# KiCad board vme-wren.kicad_pcb (continued)
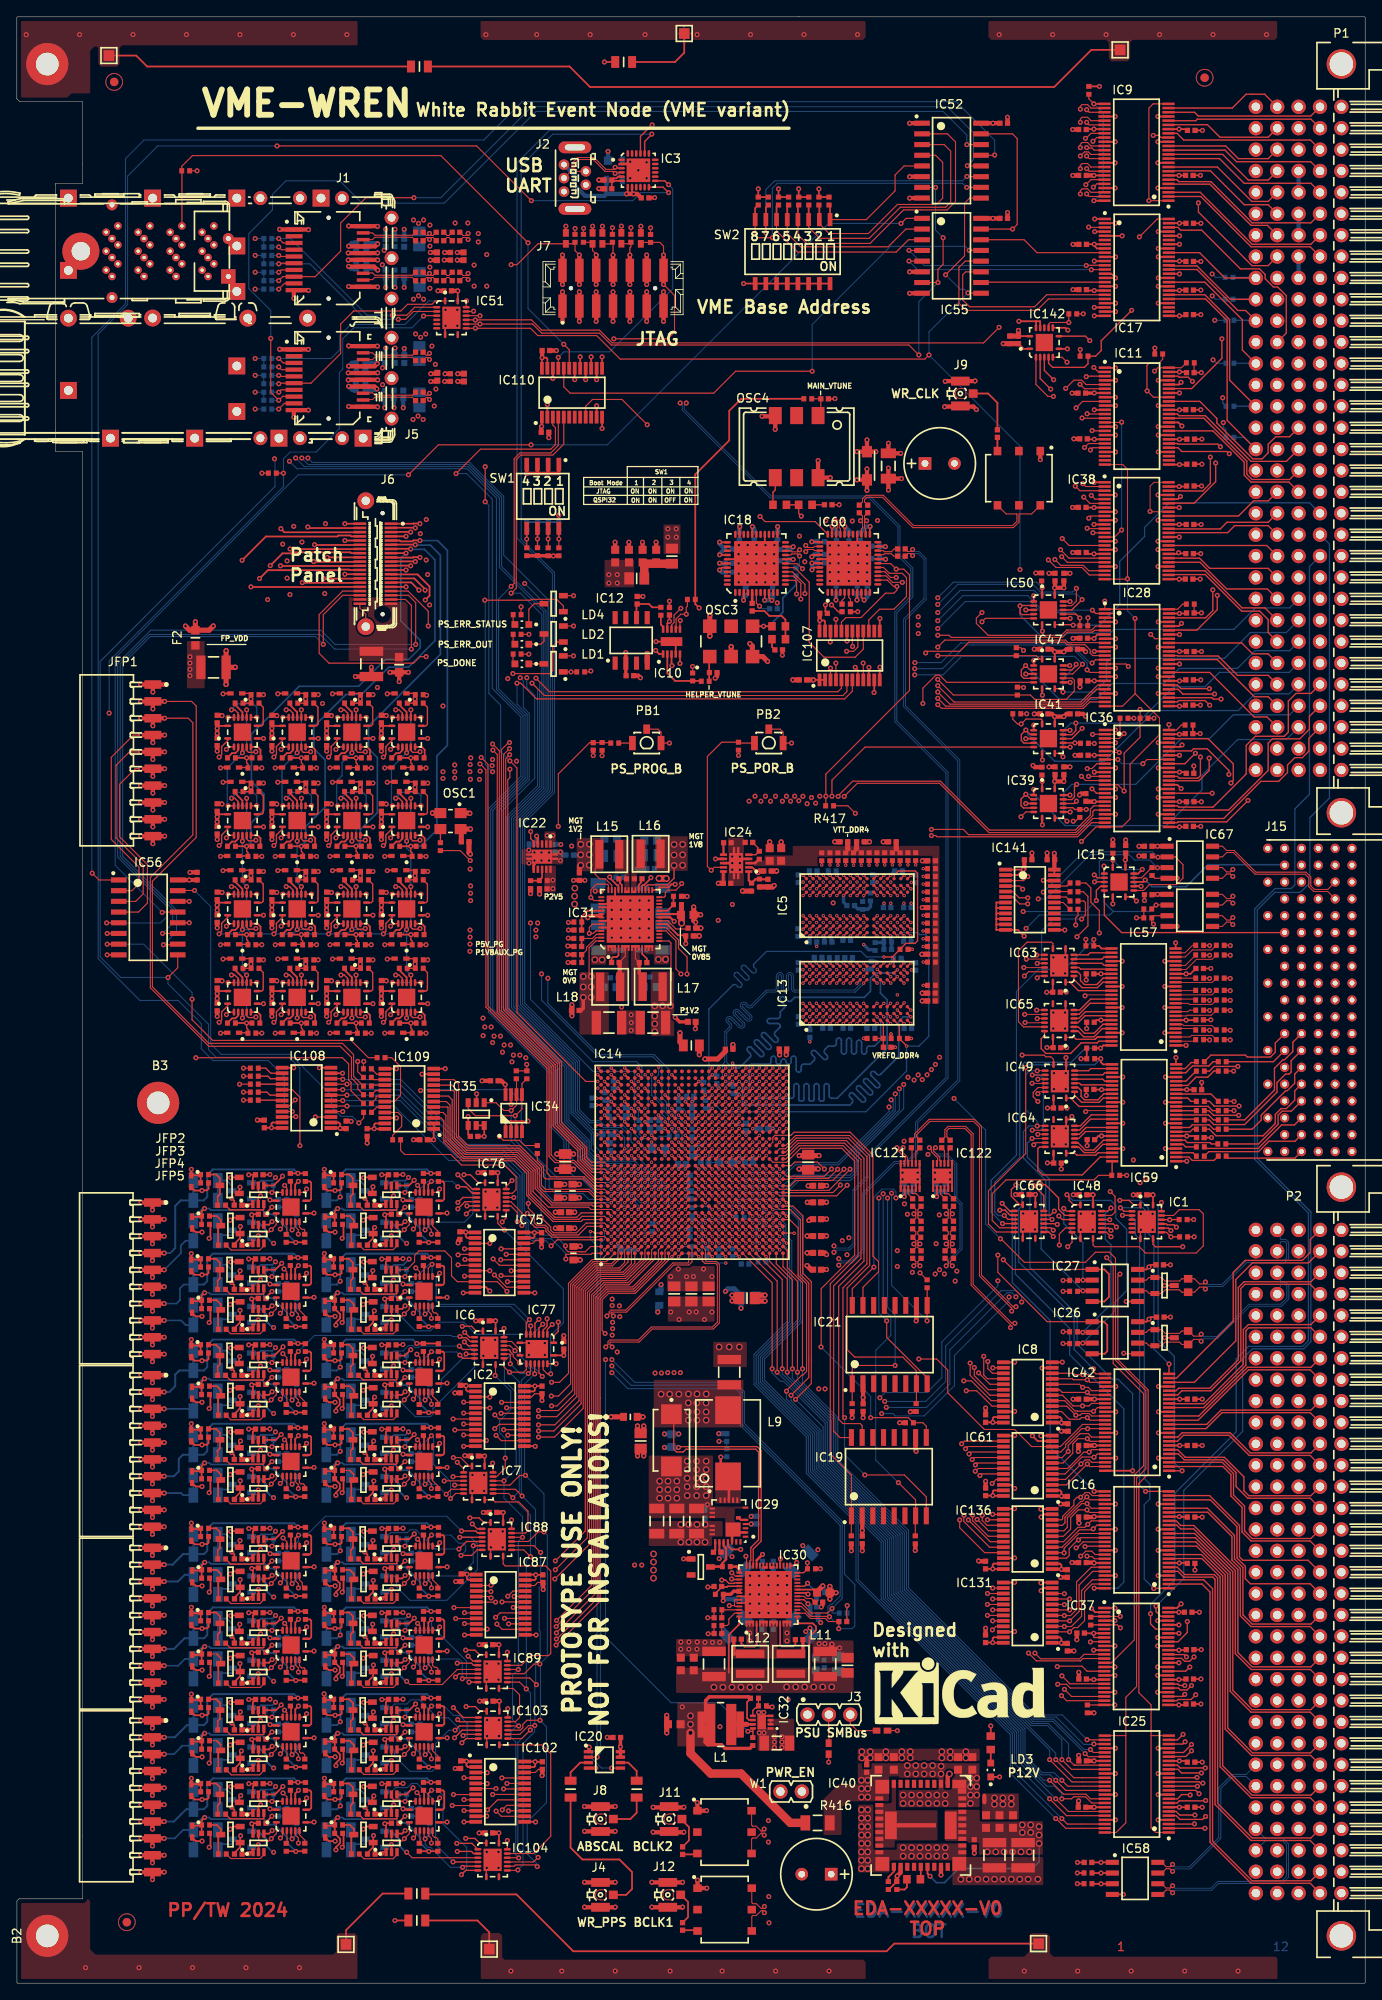
[diagram p0: board, top side]
## Routing (per net, layer and track width the routed paths; a pad name or vN(x,y) marks a point on that pad's centre or on a via; arc(x,y) is an arc through that point) (continued)
/PP_OUT14: length 57.6
  Top Layer w0.15: v2(27.29,134.99) 27.29,134.39 27.45,134.23 R528.2 27.4,133.84 D87.1
  Top Layer w0.2: R525.2 R524.2 ; J6.15 v2(46.22,169.79)
  Bottom Layer w0.2: v2(46.22,169.79) 45.6,169.17 45.6,161.74 47.89,159.45 47.89,158.53 46.53,157.17 43.78,157.17 40.59,153.99 33.53,153.99 27.86,148.31 27.86,142.68 29.35,141.19 29.35,139.29 27.8,137.75 27.8,135.5 v2(27.29,134.99)
/PP_OUT15: length 42.1
  Top Layer w0.15: D88.1 27.67,142.64 R529.2 R526.2 R527.2
  Top Layer w0.2: J6.16 39.71,169.79 39.6,169.89 32.8,169.89 32.67,169.76 31.55,169.76 v2(30.1,168.31)
  L5 w0.2: v2(30.1,168.31) 30.1,165.82 28.7,164.43 28.7,151.54 29.2,151.04 29.2,148.69 27.82,147.3 27.82,142.01 v2(27.79,141.99)
/PP_OUT16: length 79.1
  Top Layer w0.15: D93.1 46.9,123.34 R546.2 46.95,123.74 46.79,123.89 v2(46.79,124.49)
  Top Layer w0.2: R543.2 R542.2 ; J6.17 44.46,169.26 47.06,169.26 47.1,169.31 47.85,169.31 v2(47.87,169.28)
  L10 w0.2: v2(46.79,124.49) 46.82,124.52 46.82,125.31 45.96,126.17 42.13,126.17 39.53,128.77 36.48,128.77 34.52,130.73 31.47,130.73 29.62,132.58 29.62,135.22 27.82,137.02 27.82,141.19 26.26,142.75 26.26,146.69 30.31,150.74 30.31,155.09 41.54,166.31 47.08,166.31 47.87,167.11 v2(47.87,169.28)
/PP_OUT17: length 49.4
  Top Layer w0.15: D94.1 47.17,132.14 R547.2 R544.2 R545.2
  Top Layer w0.2: v2(36.85,169.29) 36.86,169.29 J6.18
  L5 w0.2: v2(47.29,131.49) 44.92,133.87 44.92,137.6 42.82,139.7 42.82,145.53 40.97,147.38 40.97,150.5 41.4,150.94 41.4,154.68 38,158.08 38,165.94 36.85,167.09 v2(36.85,169.29)
/PP_OUT18: length 73.5
  Top Layer w0.15: v2(40.29,124.49) 40.29,123.89 40.45,123.74 R540.2 40.4,123.34 D91.1
  Top Layer w0.2: R537.2 R536.2 ; J6.19 44.46,168.81 47.3,168.81 v2(47.32,168.78)
  L10 w0.2: v2(40.29,124.49) 38.15,124.49 37.32,125.33 37.32,126.01 35.56,127.77 31.48,127.77 28.46,130.79 28.46,134.66 26.66,136.46 26.66,141.41 25.56,142.51 25.56,146.62 29.82,150.87 29.82,155.24 41.36,166.79 46.85,166.79 47.32,167.26 v2(47.32,168.78)
/PP_OUT19: length 48.2
  Top Layer w0.15: D92.1 40.67,132.14 R541.2 R538.2 R539.2
  Top Layer w0.2: v2(35.25,168.79) 35.28,168.76 40.71,168.76 J6.20
  L5 w0.2: v2(35.25,168.79) 35.25,158.94 36,158.19 36,154.14 36.83,153.31 36.83,150.05 38.11,148.77 38.11,147.01 39.25,145.87 39.25,133.03 v2(40.79,131.49)
/PP_OUT20: length 68.5
  Top Layer w0.15: D97.1 33.9,123.34 R558.2 33.95,123.74 33.79,123.89 v2(33.79,124.49)
  Top Layer w0.2: R555.2 R554.2 ; J6.21 44.46,168.31 46.74,168.31 v2(46.77,168.28)
  L10 w0.2: v2(46.77,168.28) 46.77,167.41 46.6,167.24 41.16,167.24 26.48,152.56 26.48,149.34 24.32,147.17 24.32,146.07 25.02,145.37 25.02,141.9 26.02,140.9 26.02,130.38 29.07,127.32 29.51,127.32 30.81,126.02 33.11,126.02 33.82,125.31 33.82,124.52 v2(33.79,124.49)
/PP_OUT21: length 50.6
  Top Layer w0.15: D98.1 34.17,132.14 R559.2 R556.2 R557.2
  Top Layer w0.2: J6.22 40.72,168.26 31.33,168.26 v2(31.3,168.29)
  L5 w0.2: v2(34.29,131.49) 34.32,131.52 34.32,137.83 32.52,139.63 32.52,163.04 31.3,164.25 v2(31.3,168.29)
/PP_OUT22: length 64.1
  Top Layer w0.15: D95.1 27.4,123.34 R552.2 27.45,123.74 27.29,123.89 v2(27.29,124.49)
  Top Layer w0.2: R549.2 R548.2 ; J6.23 v2(46.22,167.79)
  L10 w0.2: v2(27.29,124.49) 27.32,124.52 27.32,125.31 22.86,129.77 22.86,149.89 40.76,167.79 v2(46.22,167.79)
/PP_OUT23: length 53.5
  Top Layer w0.15: R551.2 R550.2 R553.2 27.67,132.14 D96.1
  Top Layer w0.2: J6.24 39.51,167.79 39.45,167.84 38.5,167.84 38.43,167.76 29.81,167.76 v2(28.82,166.77)
  L5 w0.2: v2(27.79,131.49) 26.02,133.27 26.02,154.85 26.8,155.64 26.8,166.27 27.3,166.77 v2(28.82,166.77)
/PP_OUT24: length 30.7
  Top Layer w0.15: v2(46.79,145.49) 46.79,144.89 46.95,144.73 R576.2 46.9,144.34 D103.1
  Top Layer w0.2: J6.25 44.46,167.26 47.59,167.26 49.01,165.83 49.01,164.74 v2(48.51,164.23) ; R573.2 R572.2
  L10 w0.2: v2(46.79,145.49) 46.82,145.51 46.82,150.15 47.89,151.23 47.89,163.61 v2(48.51,164.23)
/PP_OUT25: length 23.5
  Top Layer w0.15: R575.2 R574.2 R577.2 47.17,153.14 D104.1
  Top Layer w0.2: J6.26 v2(38.96,167.29)
  L5 w0.2: v2(38.96,167.29) 38.96,160.24 46.71,152.49 v2(47.29,152.49)
/PP_OUT26: length 36.6
  Top Layer w0.15: v2(40.29,145.49) 40.29,144.89 40.45,144.73 R582.2 40.4,144.34 D105.1
  Top Layer w0.2: v2(48.49,165.39) 48.49,165.5 47.21,166.79 J6.27 ; R579.2 R578.2
  L10 w0.2: v2(48.49,165.39) 47.62,164.51 42.07,164.51 39.02,161.47 39.02,149.42 40.32,148.13 40.32,145.51 v2(40.29,145.49)
/PP_OUT27: length 23.6
  Top Layer w0.15: R581.2 R580.2 R583.2 40.67,153.14 D106.1
  Top Layer w0.2: v2(36.4,166.79) 36.43,166.76 40.71,166.76 J6.28
  L5 w0.2: v2(36.4,166.79) 37.5,165.69 37.5,155.77 v2(40.79,152.49)
/PP_OUT28: length 36.9
  Top Layer w0.15: v2(33.79,145.49) 33.79,144.89 33.95,144.73 R570.2 33.9,144.34 D101.1
  Top Layer w0.2: J6.29 44.46,166.31 46.84,166.31 v2(47.75,165.39) ; R567.2 R566.2
  L10 w0.2: v2(47.75,165.39) 47.49,165.13 41.98,165.13 37.16,160.31 37.16,158.94 34.89,156.67 34.89,152.35 34.32,151.77 34.32,146.01 v2(33.79,145.49)
/PP_OUT29: length 23.9
  Top Layer w0.15: R569.2 R568.2 R571.2 34.17,153.14 D102.1
  Top Layer w0.2: v2(33.9,166.29) 33.93,166.26 40.72,166.26 J6.30
  L5 w0.2: v2(33.9,166.29) 33.9,152.87 v2(34.29,152.49)
/PP_OUT30: length 37.4
  Top Layer w0.15: D99.1 27.4,144.34 R564.2 27.45,144.73 27.29,144.89 v2(27.29,145.49)
  Top Layer w0.2: R561.2 R560.2 ; J6.31 v2(46.22,165.79)
  L10 w0.2: v2(46.22,165.79) 41.9,165.79 32.99,156.88 32.99,150.08 28.4,145.49 v2(27.29,145.49)
/PP_OUT31: length 29.3
  Top Layer w0.15: R563.2 R562.2 R565.2 27.67,153.14 D100.1
  Top Layer w0.2: v2(27.8,165.79) 27.83,165.76 38.07,165.76 38.09,165.79 J6.32
  L5 w0.2: v2(27.79,152.49) 27.8,152.5 v2(27.8,165.79)
/PS-QSPI.LWR_CLK: length 47.7
  Top Layer w0.125: IC19.16 97.76,64.79 97,65.54 97,82.79 100.25,86.04 100.25,97.79 98.3,99.74 92.79,99.74 91.31,98.26 90.59,98.26 IC14.AG15
/PS-QSPI.LWR_CSN: length 61.9
  Top Layer w0.125: R8.1 106.7,55.45 IC19.7 106.74,57.38 v2(104.69,59.43)
  Top Layer w0.2: IC14.AD16 88.18,99.06
  L10 w0.125: v1(88.19,99.06) 88.58,99.45 89.79,99.45 90.2,99.04 98.33,99.04 102.88,94.48 v2(102.88,93.73)
  Bottom Layer w0.125: v2(104.69,59.43) 102,62.12 102,75.14 103.8,76.94 103.8,79.14 102.88,80.06 v2(102.88,93.73)
/PS-QSPI.LWR_DQ0: length 47.8
  Top Layer w0.125: IC19.15 100.39,66.21 100.16,66.44 98.1,66.44 97.6,66.94 97.6,82.74 100.6,85.74 100.6,97.94 98.5,100.04 92.68,100.04 91.3,98.66 IC14.AH16
/PS-QSPI.LWR_DQ1: length 63.1
  Top Layer w0.125: IC19.8 108.01,57.74 105.4,60.34 v2(100.7,60.34) ; v2(98.3,67.14) 98.1,67.34 98.1,82.55 100.95,85.4 100.95,98.14 98.75,100.34 92.55,100.34 91.28,99.06 90.59,99.06 IC14.AG16
  Bottom Layer w0.125: v2(100.7,60.34) 98.3,62.74 v2(98.3,67.14)
/PS-QSPI.LWR_DQ2: length 54.5
  Top Layer w0.125: IC14.AF15 89.79,97.46 91.41,97.46 93.08,99.13 97.96,99.13 99.5,97.59 99.5,86.44 95.53,82.46 95.53,75.56 v2(95.5,75.54) ; IC19.9 108.01,66.14 107.6,66.54 R12.1 105.87,67.14 v2(101.4,67.14)
  Bottom Layer w0.125: v2(101.4,67.14) 101.4,69.64 v2(95.5,75.54)
/PS-QSPI.LWR_DQ3: length 57.3
  Top Layer w0.125: IC14.AH15 91.33,97.86 92.9,99.44 98.11,99.44 99.9,97.64 99.9,86.34 96.6,83.04 96.6,62.84 99.12,60.33 IC19.1 99.1,55.47 R13.1
/PS-QSPI.UWR_CLK: length 40.3
  Top Layer w0.125: IC21.16 99.22,82.45 v2(101.78,85.02)
  Top Layer w0.2: IC14.AC17 87.38,99.86
  L10 w0.125: v1(87.39,99.86) 87.39,100.41 88.12,101.14 89,101.14 89.15,100.99 98.11,100.99 104.4,94.69 v2(104.4,93.24)
  Bottom Layer w0.125: v2(101.78,85.02) 101.78,93.32 102.74,94.28 104.09,94.28 104.4,93.97 v2(104.4,93.24)
/PS-QSPI.UWR_CSN: length 49.1
  Top Layer w0.125: R14.1 106.84,68.84 IC21.7 106.84,72.71 105.2,74.34 99.5,74.34 98.6,75.24 98.6,82.54 101.28,85.22 101.28,98.26 98.9,100.64 92.48,100.64 91.3,99.46 IC14.AH17
/PS-QSPI.UWR_DQ0: length 33.3
  Top Layer w0.125: IC21.15 100.49,82.62 102.33,84.47 102.33,85.67 101.66,86.34 101.66,98.34 98.96,101.04 92.3,101.04 91.94,100.67 90.04,100.67 89.78,100.41 89.78,99.85 IC14.AF17
/PS-QSPI.UWR_DQ1: length 42.8
  Top Layer w0.125: IC21.8 108.11,71.87 103.3,76.67 v2(103.3,78.64)
  Top Layer w0.2: IC14.AC16 87.38,99.06
  L10 w0.125: v1(87.39,99.06) 87.78,98.67 91.57,98.67 92.6,97.64 98.7,97.64 102.37,93.97 v2(102.37,93.22)
  Bottom Layer w0.125: v2(103.3,78.64) 102.37,79.57 v2(102.37,93.22)
/PS-QSPI.UWR_DQ2: length 40.7
  Top Layer w0.125: v2(108.1,78.64) 108.1,80.46 IC21.9 108.11,82.57 R15.1
  Top Layer w0.2: IC14.AD17 88.18,99.86
  L10 w0.125: v1(88.19,99.86) 88.82,100.49 98.25,100.49 103.89,94.85 v2(103.89,93.79)
  Bottom Layer w0.125: v2(103.89,93.79) 103.89,82.85 v2(108.1,78.64)
/PS-QSPI.UWR_DQ3: length 48.4
  Top Layer w0.125: v2(104.3,73.34) 99.4,73.34 99.22,73.15 IC21.1 99.2,71.15 R16.1
  Top Layer w0.2: IC14.AE17 88.98,99.86
  L10 w0.125: v2(103.4,93.22) 103.4,94.74 98.67,99.47 90.21,99.47 89.83,99.86 v1(88.99,99.86)
  Bottom Layer w0.125: v2(104.3,73.34) 104.3,79.34 103.4,80.24 v2(103.4,93.22)
/SFP0.RX_N: length 160
  Top Layer w0.115: IC14.T1 81.39,85.97 81.39,85.75 81.69,85.46 82.98,85.46 83.19,85.25 83.19,78.49 82.62,77.91 75.35,77.91 73.8,76.36 70.4,76.36 70.2,76.16 70.2,75.8 v2(69.94,75.54) ; C61.1 48.63,188.28 48.77,188.28 v2(49.01,188.04)
  L10 w0.1: v2(69.94,75.54) 70.19,75.79 70.19,76.02 70.1,76.11 63.7,76.11 62.9,76.91 60.45,76.91 58.05,79.31 54.1,79.31 51.22,82.19 51.22,84.99 49.97,86.24 49.97,92.49 51.22,93.74 51.22,102.14 49.97,103.39 49.97,140.59 49.57,140.99 49.57,148.59 53.32,152.34 53.32,186.14 51.19,188.27 49.24,188.27 v2(49.01,188.04)
/SFP0.RX_P: length 161.3
  Top Layer w0.115: v2(49.01,188.76) 48.77,188.52 48.63,188.52 C60.1 ; IC14.T2 81.79,87.06 81.79,85.79 81.88,85.7 83.08,85.7 83.43,85.35 83.43,78.39 82.72,77.67 75.45,77.67 73.9,76.12 70.5,76.12 70.44,76.06 70.44,75.8 v2(70.7,75.54)
  L10 w0.1: v2(70.7,75.54) 70.45,75.79 70.45,76.12 70.21,76.37 63.81,76.37 63.01,77.17 60.56,77.17 58.16,79.57 54.21,79.57 51.48,82.29 51.48,85.09 50.23,86.34 50.23,92.39 51.48,93.64 51.48,102.24 50.23,103.49 50.23,140.69 49.83,141.09 49.83,148.49 53.58,152.24 53.58,186.24 51.3,188.53 49.24,188.53 v2(49.01,188.76)
/SFP0.TX_N: length 154.4
  Top Layer w0.115: C89.1 48.63,193.27 48.77,193.27 v2(49.01,193.51) ; IC14.R3 80.98,87.87
  L8 w0.1: v2(70.75,78.47) 71,78.22 71.44,78.22 75.2,81.98 76.54,81.98 79.41,84.85 80.54,84.85 81.57,85.88 81.57,87.18 80.99,87.76 v1(80.99,87.86)
  L10 w0.1: v2(70.75,78.47) 70.5,78.22 66.41,78.22 63.86,80.77 56.06,80.77 54.58,82.24 54.58,94.69 53.98,95.29 53.98,97.89 53.03,98.84 53.03,108.19 51.43,109.79 51.43,147.99 54.88,151.44 54.88,191.34 52.95,193.28 49.24,193.28 v2(49.01,193.51)
/SFP0.TX_P: length 155.8
  Top Layer w0.115: IC14.R4 80.98,88.67 ; v2(49.01,192.79) 48.77,193.03 48.63,193.03 C64.1
  L8 w0.1: v2(70.75,77.71) 71,77.96 71.55,77.96 75.31,81.72 76.65,81.72 79.52,84.59 80.65,84.59 81.83,85.77 81.83,87.29 81.42,87.71 81.42,88.24 v1(80.99,88.66)
  L10 w0.1: v2(49.01,192.79) 49.24,193.02 52.84,193.02 54.62,191.24 54.62,151.54 51.17,148.09 51.17,109.69 52.77,108.09 52.77,98.74 53.72,97.79 53.72,95.19 54.32,94.59 54.32,82.14 55.95,80.51 63.75,80.51 66.3,77.96 70.5,77.96 v2(70.75,77.71)
/SFP0/SFP_RD_C_N: length 6.5
  Top Layer w0.115: C61.2 46.95,188.3 42.53,188.3 42.25,188.02 41.12,188.02
/SFP0/SFP_RD_C_P: length 6.5
  Top Layer w0.115: 41.12,188.82 42.25,188.82 42.53,188.54 47,188.54 C60.2
/SFP0/SFP_TD_C_N: length 6.5
  Top Layer w0.115: C89.2 47,193.29 42.53,193.29 42.25,193.57 J5.19
/SFP0/SFP_TD_C_P: length 6.5
  Top Layer w0.115: C64.2 46.95,193.05 42.53,193.05 42.25,192.77 J5.18
/SFP0/SFP_VCCR: length 4.3
  Top Layer w0.5: v2(42.85,190.35) 42.83,190.37 J5.15 39.38,190.37 v2(39.35,190.35)
  L3 w0.5: v2(42.85,190.35) 43.41,189.79 v2(43.43,189.79)
/SFP0/SFP_VCCT: length 4.3
  Top Layer w0.5: v2(39.35,191.2) 39.38,191.17 J5.16 42.83,191.17 v2(42.85,191.2)
  L3 w0.5: v2(43.42,191.79) 43.42,191.77 v2(42.85,191.2)
/SFP0_MODABS: length 26.7
  Top Layer w0.125: v2(31.1,189.9) 31.18,189.97 J5.6 34.94,189.97 38.45,193.49 38.45,196.99 40,198.54 45.6,198.54 46.4,199.34 49.3,199.34 49.7,199.74 IC51.1
  Bottom Layer w0.125: v2(31.1,189.9) R255.1
/SFP0_RSSI: length 122.7
  Top Layer w0.125: v2(30.15,195.29) 30.15,188.89 v2(31.1,187.94) 31.58,188.41 32.92,188.41 ; IC52.14 112.84,218.3 v2(112.83,218.29)
  Bottom Layer w0.125: v2(31.1,187.94) R19.1 ; v2(112.83,218.29) 112.83,219.41 110,222.24 61.65,222.24 50.75,211.34 41,211.34 38.35,213.99 31.95,213.99 30.35,212.39 30.35,210.54 27.55,207.74 27.55,201.2 30.15,198.6 v2(30.15,195.29)
/SFP0_SCL: length 131.7
  Top Layer w0.125: v2(31.1,190.9) 31.23,190.77 J5.5
  Top Layer w0.15: 70.6,95.07 IC14.C12
  L3 w0.125: v2(32.37,180.7) 32.39,180.72 32.39,189.61 v2(31.1,190.9)
  Bottom Layer w0.125: v1(70.59,95.06) 68.43,95.06 65.23,98.26 65.23,100.21 63.57,101.87 63.57,108.06 56.27,115.36 56.27,139.34 60.1,143.17 60.1,150.45 56.96,153.59 56.96,176.33 53.48,179.81 33.26,179.81 v2(32.37,180.7) ; R31.1 v2(31.1,190.9)
/SFP0_SDA: length 128.3
  Top Layer w0.125: J5.4 31.43,191.57 v2(31.1,191.9)
  Top Layer w0.15: 69,98.26 IC14.A15
  L3 w0.125: v2(33.11,181.09) 34.64,182.61 34.64,184.9 33.11,186.42 33.11,189.89 v2(31.1,191.9)
  Bottom Layer w0.125: v1(68.99,98.26) 68.21,99.04 68.21,100.88 65.82,103.27 65.82,109.09 59.01,115.9 59.01,138.28 62.59,141.86 62.59,162.83 57.31,168.11 57.31,176.33 53.58,180.06 34.14,180.06 v2(33.11,181.09) ; v2(31.1,191.9) R30.1
/SFP0_TXDIS: length 29.8
  Top Layer w0.125: J5.3 31.63,192.37 v2(31.1,192.9) ; IC51.15 53.36,199.7 v2(53.4,199.74)
  Bottom Layer w0.125: v2(53.4,199.74) 48.9,199.74 46.1,196.94 39.65,196.94 38.35,195.64 38.35,193.94 37.31,192.9 v2(31.1,192.9) R254.1
/SFP1.RX_N: length 155.1
  Top Layer w0.115: C375.1 49.42,202.52 49.29,202.52 49.05,202.28 ; C366.1 48.63,202.52 48.77,202.52 v2(49.01,202.28) ; IC14.P1 79.79,85.58 79.72,85.51 77.92,85.51 72.32,79.91 70.56,79.91 70.34,79.7 70.34,79.47 v2(70.08,79.21)
  L10 w0.1: v2(70.08,79.21) 70.33,79.46 70.33,79.63 70.15,79.81 65.75,79.81 56.22,89.34 56.22,97.69 54.57,99.34 54.57,103.89 53.77,104.69 53.77,109.04 52.82,109.99 52.82,147.44 56.12,150.74 56.12,198.59 52.2,202.51 49.24,202.51 v2(49.01,202.28)
/SFP1.RX_P: length 156.6
  Top Layer w0.115: 49.05,203 49.29,202.76 49.42,202.76 C374.1 ; IC14.P2 80.19,87.06 80.19,85.64 79.82,85.27 78.02,85.27 72.42,79.67 70.66,79.67 70.58,79.6 70.58,79.47 v2(70.84,79.21) ; v2(49.01,203) 48.77,202.76 48.63,202.76 C365.1
  L10 w0.1: v2(49.01,203) 49.24,202.77 52.31,202.77 56.38,198.69 56.38,150.64 53.08,147.34 53.08,110.09 54.03,109.14 54.03,104.79 54.83,103.99 54.83,99.44 56.48,97.79 56.48,89.44 65.86,80.07 70.26,80.07 70.59,79.73 70.59,79.46 v2(70.84,79.21)
/SFP1.TX_N: length 157.2
  Top Layer w0.115: C233.1 49.42,207.51 49.29,207.51 49.05,207.75 ; C368.1 48.63,207.51 48.77,207.51 v2(49.01,207.75) ; 78.6,87.87 IC14.N3
  L8 w0.1: v1(78.59,87.86) 78.59,87.59 79.06,87.12 79.06,85.91 78.77,85.62 77.45,85.62 73.11,81.28 71.34,81.28 71.03,80.97 70.95,80.97 v2(70.7,81.22)
  L10 w0.1: v2(70.7,81.22) 70.45,80.97 67.34,80.97 61.11,87.2 61.11,87.98 58.12,90.97 58.12,97.83 56.51,99.44 56.51,109.35 54.9,110.96 54.9,141.14 57.7,143.94 57.7,202.08 52.26,207.52 49.24,207.52 v2(49.01,207.75)
/SFP1.TX_P: length 158.5
  Top Layer w0.115: C367.1 48.63,207.27 48.77,207.27 v2(49.01,207.03) ; 49.05,207.03 49.29,207.27 49.42,207.27 C230.1 ; 78.6,88.67 IC14.N4
  L8 w0.1: v1(78.59,88.66) 78.97,88.29 78.97,87.58 79.32,87.23 79.32,85.8 78.88,85.36 77.56,85.36 73.22,81.02 71.45,81.02 71.14,80.71 70.95,80.71 v2(70.7,80.46)
  L10 w0.1: v2(70.7,80.46) 70.45,80.71 67.24,80.71 60.85,87.09 60.85,87.87 57.86,90.86 57.86,97.72 56.25,99.33 56.25,109.24 54.64,110.85 54.64,141.25 57.44,144.05 57.44,201.97 52.16,207.26 49.24,207.26 v2(49.01,207.03)
/SFP1/SFP_RD_C_N: length 6.5
  Top Layer w0.115: C366.2 46.95,202.54 42.53,202.54 42.25,202.26 41.12,202.26
/SFP1/SFP_RD_C_P: length 6.5
  Top Layer w0.115: C365.2 47,202.78 42.53,202.78 42.25,203.06 41.12,203.06
/SFP1/SFP_TD_C_N: length 6.5
  Top Layer w0.115: C368.2 47,207.53 42.53,207.53 42.25,207.81 J1.19
/SFP1/SFP_TD_C_P: length 6.5
  Top Layer w0.115: J1.18 42.25,207.01 42.53,207.29 46.95,207.29 C367.2
/SFP1/SFP_VCCR: length 4.3
  Top Layer w0.5: v2(39.35,204.59) 39.38,204.61 J1.15 42.83,204.61 v2(42.85,204.59)
  L3 w0.5: v2(42.85,204.59) 42.85,204.58 v2(43.4,204.03)
/SFP1/SFP_VCCT: length 4.4
  Top Layer w0.5: v2(39.35,205.44) 39.38,205.41 J1.16 42.83,205.41 v2(42.85,205.44)
  L3 w0.5: v2(43.62,205.74) 43.32,205.44 v2(42.85,205.44)
/SFP1_MODABS: length 24.6
  Top Layer w0.125: IC51.3 47.1,198.49 46.17,197.55 v2(45.3,197.55) ; J1.6 31.18,204.21 v2(31.1,204.14)
  Bottom Layer w0.125: R392.1 v2(31.1,204.14) 34.8,204.14 41.39,197.55 v2(45.3,197.55)
/SFP1_RSSI: length 101
  Top Layer w0.125: v2(31.1,202.14) 31.58,202.61 J1.8 35.43,202.61 38.45,205.64 38.45,208.99 41.45,211.99 v2(47.15,211.99) ; IC52.12 112.91,215.76 v2(112.88,215.79)
  Bottom Layer w0.125: v2(31.1,202.14) R394.1 ; v2(47.15,211.99) 50.35,211.99 61.15,222.79 110.5,222.79 113.6,219.69 113.6,216.51 v2(112.88,215.79)
/SFP1_SCL: length 141.2
  Top Layer w0.125: v2(31.1,205.14) 31.23,205.01 J1.5
  Top Layer w0.15: 69.8,98.26 IC14.B15
  L3 w0.125: v2(33.84,181.09) 34.89,182.13 34.89,185 33.63,186.26 33.63,194.51 31.61,196.53 31.61,204.63 v2(31.1,205.14)
  Bottom Layer w0.125: R391.1 v2(31.1,205.14) ; v1(69.79,98.26) 68.46,99.59 68.46,100.98 66.07,103.37 66.07,109.19 59.27,115.99 59.27,138.19 62.84,141.76 62.84,162.93 57.56,168.21 57.56,176.43 53.68,180.31 34.61,180.31 v2(33.84,181.09)
/SFP1_SDA: length 145.9
  Top Layer w0.125: J1.4 31.43,205.81 v2(31.1,206.14) ; IC14.D15 v1(71.41,98.24)
  L3 w0.125: v2(31.1,206.14) 32,205.24 32,197.54 35.71,193.83 35.71,182.23 v2(34.56,181.09)
  Bottom Layer w0.125: v2(34.56,181.09) 35.09,180.56 53.79,180.56 57.81,176.54 57.81,169.56 63.35,164.02 63.35,141.56 59.81,138.02 59.81,116.16 66.57,109.4 66.57,103.6 68.01,102.16 69.1,102.16 69.67,101.59 71.81,101.59 72.58,100.82 72.58,98.9 72.35,98.67 71.85,98.67 v1(71.41,98.24) ; v2(31.1,206.14) R389.1
/SFP1_TXDIS: length 25.8
  Top Layer w0.125: v2(31.1,207.14) 31.63,206.61 J1.3 ; IC51.2 47.25,198.99 46.3,198.04 v2(44.6,198.04)
  Bottom Layer w0.125: R390.1 v2(31.1,207.14) 32.5,207.14 41.6,198.04 v2(44.6,198.04)
/SFP_LED_DATA: length 77.6
  Top Layer w0.125: v2(57.3,100.54) 57.77,100.08 59.67,100.08 60.29,99.46 R193.2
  Top Layer w0.5: JFP1.7 v2(17.55,142.19) ; JFP1.7 14.8,142.19 ; JFP1.7 v2(16.15,141.29)
  L5 w0.125: v2(17.55,142.19) 18.9,140.84 18.9,120.32 36.34,102.89 42.36,102.89 43.81,101.44 56.41,101.44 v2(57.3,100.54)
  vias: v2(14.71,142.19)
/slow_gpio/I_IOEXP_RCLK: length 238.3
  Top Layer w0.125: IC52.15 118.25,219.57 118.8,219.01 118.8,208.81 v2(118.26,208.27) IC55.15 ; IC51.12 61.12,197.49 62.33,196.27 69.18,196.27 70.7,194.75 114.81,194.75 v2(116.65,196.6) ; v2(21.1,129.74) 19.13,129.74 IC56.15 ; R460.2 41.18,102.71 v2(40.62,102.14)
  L3 w0.125: v2(118.26,208.27) 116.65,206.66 v2(116.65,196.6)
  L10 w0.125: v2(54.45,197.47) 50.91,197.47 49.99,196.56 42.83,196.56 31.36,185.09 28.75,185.09 25.6,181.94 25.6,177.55 13.55,165.5 13.55,135.31 19.12,129.74 v2(21.1,129.74)
  Bottom Layer w0.125: v2(40.62,102.14) 39.83,102.92 38.5,102.92 37.37,104.05 37.37,105.37 32.46,110.29 24.26,110.29 23.01,111.54 23.01,127.83 v2(21.1,129.74)
/slow_gpio/I_IOEXP_SCLK: length 226.4
  Top Layer w0.125: v2(110,207.24) 110,204.09 109.39,203.48 v2(109.39,201.92) IC55.7 107.83,201.92 ; v2(109.1,213.21) 109.1,213.22 IC52.7 ; R462.2 41.75,109.89 39.7,111.94 23.25,111.94 20.8,114.39 20.8,116.84 ; IC51.11 61.26,196.99 62.34,195.91 69.19,195.91 70.6,194.5 105.94,194.5 v2(107.12,193.32)
  Top Layer w0.2: IC56.7 v2(10.73,123.36) 10.7,123.34
  L10 w0.125: v2(55,197) 55.49,197.49 55.49,198.18 54.49,199.17 48.57,199.17 48.34,198.95 42.36,198.95 38.13,194.72 38.13,193.77 31.82,187.45 29.72,187.45 24.31,182.05 24.31,178.41 12.41,166.51 12.41,125.05 v2(10.73,123.36)
  Bottom Layer w0.125: v2(110,207.24) 109.1,208.14 v2(109.1,213.21) ; v2(10.73,123.36) 15.06,123.36 20.81,117.61 v2(20.81,116.84) ; v2(107.12,193.32) 107.12,199.65 v2(109.39,201.92)
/STRIP1_H: length 85
  Top Layer w0.2: R398.2 65.64,227.57 68.07,225.14 123.2,225.14 127.61,229.55 TP1.1
  vias: v2(116.66,231.36) v2(123.01,231.36) v2(129.36,231.36) v2(135.71,231.36) v2(142.06,231.36) v2(148.41,231.36)
/STRIP1_L: length 76.1
  Top Layer w0.2: R400.2 48.6,10.54 59.33,10.54 66.08,3.79 103.29,3.79 104.2,4.7 TP4.1
  vias: v2(119.64,1.44) v2(125.99,1.44) v2(132.34,1.44) v2(138.69,1.44) v2(145.04,1.44)
/STRIP2_H: length 8.9
  Top Layer w0.2: TP3.1 79.26,229.21 78.16,228.11 R397.2
  vias: v2(55.7,231.36) v2(61.74,231.36) v2(68.09,231.36) v2(74.61,231.36) v2(80.79,231.36) v2(87.14,231.36) v2(93.49,231.36) v2(99.84,231.36)
/STRIP2_L: length 10.2
  Top Layer w0.2: TP6.1 56.1,6.04 54.7,7.44 R401.2
  vias: v2(58.68,1.44) v2(64.71,1.44) v2(71.06,1.44) v2(77.59,1.44) v2(83.76,1.44) v2(90.11,1.44) v2(96.46,1.44)
/SWITCH0_N: length 34.8
  Top Layer w0.125: IC52.11 112.85,214.49 v2(112.83,214.51) ; v2(88.95,207.81) SW2.7
  Top Layer w0.2: R343.2 88.95,210.82 SW2.7
  Bottom Layer w0.125: v2(112.83,214.51) 112.31,213.99 90.01,213.99 88.95,212.94 v2(88.95,207.81)
/SWITCH1_N: length 37
  Top Layer w0.125: IC52.10 112.81,213.22 v2(112.8,213.21) ; v2(89.73,207.24) 88,207.24 87.68,207.56 SW2.8
  Top Layer w0.2: R330.2 87.68,210.75 SW2.8
  Bottom Layer w0.125: v2(112.8,213.21) 112.32,213.7 90.32,213.7 89.73,213.11 v2(89.73,207.24)
/user_interface/USB_D_N: length 10.1
  Top Layer w0.115: IC3.4 71.17,214.99 v2(71.05,214.88) 70.81,215.12 69.85,215.12 68.45,216.52 66.7,216.52 66.17,215.99 66.17,215.32 66.37,215.12 J2.2
  Bottom Layer w0.115: IC4.3 71.92,214.38 71.42,214.88 v2(71.05,214.88)
/user_interface/USB_D_P: length 10.3
  Top Layer w0.115: J2.3 65.93,215.27 65.93,216.09 66.6,216.76 68.55,216.76 69.95,215.36 70.81,215.36 v2(71.05,215.6) 71.16,215.49 IC3.3
  Bottom Layer w0.115: v2(71.05,215.6) 71.32,215.6 71.92,216.2 IC4.2
/user_interface/USB_VBUS: length 16
  Top Layer w0.2: v2(72.4,212.44) 72.56,212.6 IC3.7 ; IC3.8 73.06,212.63 v2(73.25,212.44)
  Top Layer w0.5: C148.1 73.69,212.44 v2(73.25,212.44) v2(72.4,212.44)